# Altium PCB STM32_Analog_Cape.PcbDoc (part 2 of 2)
Units mil, origin at the board's own origin, x right, y up, seen from the top; angles counter-clockwise.
Board outline 3400 x 2150 mil, 2 copper layers (Top Layer, Bottom Layer), stack 61.855 mil thick; 129 components, 97 nets, 610 pads, 307 vias.
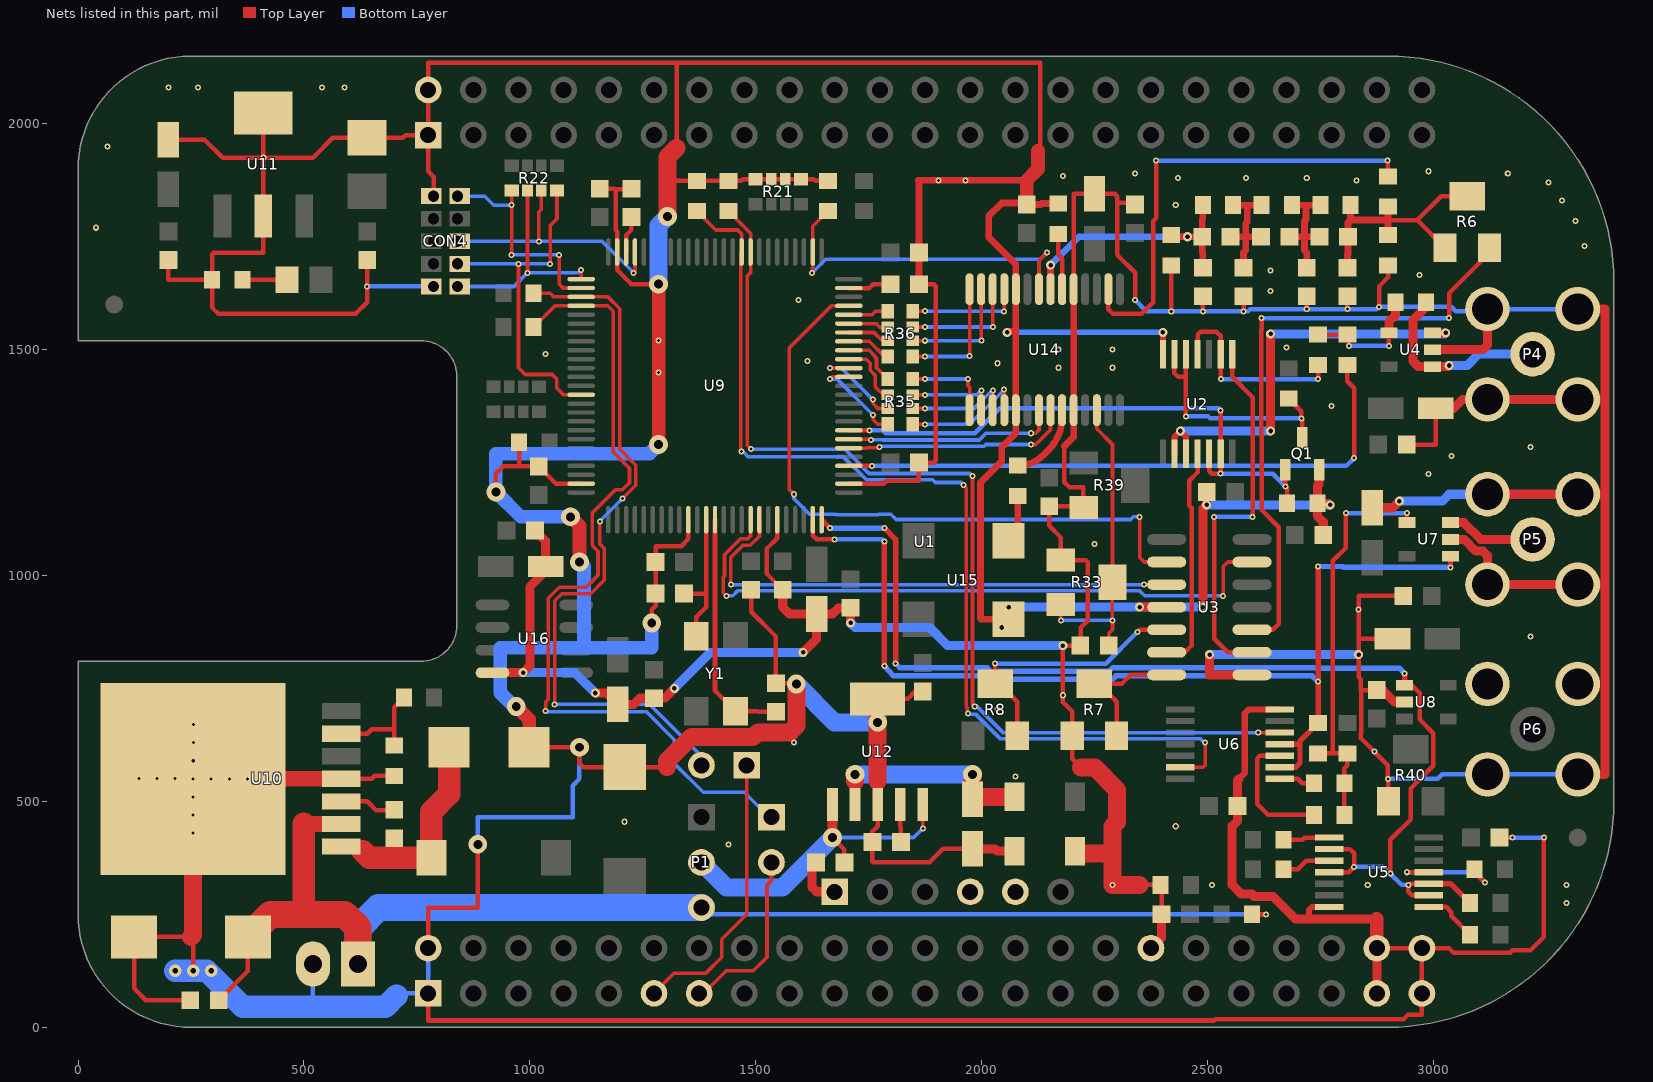
[diagram p2: the nets of this part, all layers, seen from the top]

## Via types
v1: diameter 13.39, hole 6.69, Top Layer to Bottom Layer, tented both sides, 227 vias
v2: diameter 20, hole 10, Top Layer to Bottom Layer, tented both sides, 41 vias
v3: diameter 41.34, hole 19.68, Top Layer to Bottom Layer, tented both sides, 36 vias
v4: diameter 27.56, hole 11.81, Top Layer to Bottom Layer, tented both sides, 3 vias

## Nets (pads, with @x,y where several pads share a name; then routed paths per layer and width w, separated by ;. In a path a pad name is that pad's centre, name@x,y a point inside that pad or via, vN(x,y) a via of type N, cw(c..) or ccw(c..) an arc to the next point about the centre after c; other vN are vias at no path point) (continued)
CW/EIS_SW: Q1.1 R11.2 U2.12 U2.13 U9.33 | length 1287.8
  Top Layer w10: U9.33@1706.26,1321.57 v1(1751.57,1321.57) ; U2.12@2503.82,1269.53 2503.82,1231.18 2509.41,1225.59 v1(2529.41,1225.59) U2.13@2529.41,1269.53 v1(2529.41,1365.59) ; Q1.1@2672.6,1234.57 v1(2672.6,1197.4) 2676.54,1193.46 R11.2@2676.54,1160
  Bottom Layer w10: v1(1751.57,1321.57) 1781.55,1321.57 1788.13,1315 1985,1315 2040.06,1370.06 2524.94,1370.06 v1(2529.41,1365.59) ; v1(2529.41,1225.59) 2644.41,1225.59 v1(2672.6,1197.4)
DDS_D0: R35.7 U9.39 | length 218
  Top Layer w8: v1(1665,1435) 1669.69,1439.69 U9.39@1706.26,1439.69 ; v1(1760,1355) 1760,1345 1770.2,1334.8 R35.7@1792.44,1334.8
  Bottom Layer w8: v1(1665,1435) 1680,1435 v1(1760,1355)
DDS_D1: R35.5 U9.40 | length 211.6
  Top Layer w8: v1(1665,1459.37) U9.40@1706.26,1459.37 ; v1(1760,1390) 1760,1380 1770.16,1369.84 R35.5@1792.44,1369.84
  Bottom Layer w8: v1(1665,1459.37) 1689.37,1459.37 1758.74,1390 v1(1760,1390)
DDS_D2: R35.3 U9.41 | length 142.9
  Top Layer w8: U9.41@1706.26,1479.06 1744.58,1479.06 1753.64,1470 1753.64,1454.2 1765,1442.84 1765,1417.63 1782.47,1400.16 R35.3@1792.44,1400.16
DDS_D3: R35.1 U9.42 | length 125.6
  Top Layer w8: U9.42@1706.26,1498.74 1751.26,1498.74 1764.2,1485.8 1764.2,1483.97 1767.64,1480.53 1767.64,1460 R35.1@1792.44,1435.2
DDS_D4: R36.7 U9.43 | length 100.1
  Top Layer w8: U9.43@1706.26,1518.43 1751.57,1518.43 1785.2,1484.8 R36.7@1792.44,1484.8
DDS_D5: R36.5 U9.44 | length 93.7
  Top Layer w8: U9.44@1706.26,1538.11 1761.89,1538.11 1780.16,1519.84 R36.5@1792.44,1519.84
DDS_D6: R36.3 U9.45 | length 89.5
  Top Layer w8: U9.45@1706.26,1557.8 1767.2,1557.8 1775,1550 1792.28,1550 R36.3@1792.44,1550.16
DDS_D7: R36.1 U9.46 | length 89.4
  Top Layer w8: U9.46@1706.26,1577.48 1757.48,1577.48 1765.2,1585.2 R36.1@1792.44,1585.2
EIS: C42.2 C46.2 L6.2 R6.2 R6.3 R28.2 R31.1 | length 570.9
  Top Layer w10: 2900,1786.93 2964.69,1786.93 ; R6.3@3025.79,1725.83 2964.69,1786.93 ; R6.2@3075,1840 3017.76,1840 2964.69,1786.93
  Top Layer w15: C46.2@2810,1681.5 2810,1710 2811.5,1711.5 C42.2@2811.5,1750 2811.5,1781.5 2816.93,1786.93 ; L6.2@2816.93,1820 2816.93,1786.93 ; R31.1@2900,1753.46 2900,1786.93 ; R28.2@2900,1816.54 2900,1786.93 ; 2816.93,1786.93 2900,1786.93
FQ_UD: U9.31 U14.8 | length 506.7
  Top Layer w8: U9.31@1706.26,1282.2 1745.59,1282.2 1746.69,1283.31 1773.31,1283.31 v1(1774.15,1284.15) ; v1(2110,1290) 2120,1290 2152.8,1322.8 U14.8@2152.8,1366.14
  Bottom Layer w8: v1(1774.15,1284.15) 1776,1286 2006,1286 2010,1290 v1(2110,1290)
GND: C1.1 C4.1 C5.1 C6.1 C12.1 C13.1 C14.1 C15.1 C16.1 C17.1 C18.1 C19.1 C22.1 C23.1 C24.2 C26.1 C27.2 C28.2 C29.1 C30.1 C31.2 C32.2 C33.1 C34.1 C47.2 C50.2 CON1.2 CON4.2 CON4.10 D1.1 L3.1 Q1.2 R11.1 R15.1 R16.1 R21.2 R21.4 R21.6 R21.8 R24.1 R29.1 R34.2 R41.2 R42.1 U1.1 U1.2 U1.47 U1.48 U1.89 U1.90 U1.91 U1.92 U1.93 U2.7 U3.4 U5.7 U6.7 U9.10 U9.27 U9.74 U9.99 U10.4 U10.TAB U11.2 U11.4 U12.3 U12.6 U14.5 U14.24 U15.2 | length 20764.5
  Top Layer w10: C29.1@200,1698.5 200,1655 R41.2@296.54,1655 ; C28.2@200,1965.12 279.88,1965.12 320,1925 v1(410,1925) ; C26.1@248.5,60 150,60 124.02,85.98 C24.2@124.02,200 250,200 ; 254.74,230 255,229.74 v4(255,125) ; U11.4@410,2024.17 v1(410,1925) ; U10.4@582.74,550 650,550 656.54,556.54 R24.1@700,556.54 ; C30.1@640,1698.5 640,1605 615,1580 310,1580 296.54,1593.46 R41.2@296.54,1655 ; U1.47@775,75 775,15 2515,15 2518.29,18.29 2935,18.29 2944.11,27.39 2975,27.39 U1.91@2975,75 U1.92@2975,175 ; U1.48@775,175 775,265 885,265 v3(885,405) ; CON4.10@787,1840 787,1883 775,1895 U1.1@775,1975 ; v3(925,1185) 925,1225 941.5,1241.5 975,1241.5 ; R42.1@976.54,1295 976.54,1243.03 975,1241.5 ; D1.1@998.58,620 v3(1110,620) 1110,585 1119.02,575.98 C27.2@1210,575.98 1304.02,575.98 ; U9.99@1113.74,1203.46 1058.03,1203.46 C17.1@1020,1241.5 975,1241.5 ; C16.1@1155,1856.5 1188.5,1856.5 1190,1855 ; C22.1@1225,1856.5 1223.5,1855 1190,1855 ; v3(1270,895) 1270,925 1278.5,933.5 C18.1@1278.5,960 C12.1@1278.5,1030 1278.5,1063.5 1280,1065 1335,1065 1350.94,1080.94 U9.10@1350.94,1123.74 ; v3(1285,1645) 1225,1645 1193.46,1676.54 U9.74@1193.46,1716.26 1193.46,1761.54 1190,1765 1190,1855 ; 1305,1873.46 R15.1@1370,1873.46 R16.1@1440,1873.46 1468.46,1873.46 1472.56,1877.56 R21.2@1499.8,1877.56 R21.4@1534.84,1877.56 R21.6@1565.16,1877.56 R21.8@1600.2,1877.56 1627.44,1877.56 1631.54,1873.46 R34.2@1660,1873.46 ; 1325,1946.47 1325,2135 ; C13.1@1490,968.5 1490,920 1545,865 C19.1@1545,761.5 1588.5,761.5 v3(1590,760) ; U9.27@1706.26,1203.46 1783.46,1203.46 1790,1210 1861.5,1210 C14.1@1861.5,1250 1894,1250 1899,1255 1899,1640 1894,1645 C23.1@1861.5,1645 ; 1770,545 U12.3@1770,492.87 1770,445 1758.5,433.5 C34.1@1758.5,410 1758.5,366.5 1760,365 1885,365 1914.88,394.88 C32.2@1980,394.88 ; U12.6@1770,727.13 1837.13,727.13 1853.5,743.5 C47.2@1870,743.5 ; 2125,1940 2130,1945 2130,2135 1325,2135 ; U1.90@2875,175 U1.92@2975,175 ; C5.1@3146.5,420 v1(3175,420) ; v1(3245,420) 3245,200 3215,170 3175,170 3170,165 3045,165 3035,175 U1.92@2975,175 ; R41.2@296.54,1655 296.54,1711.54 300,1715 410,1715 U11.2@410,1795.83 v1(410,1925) ; v1(410,1925) 520,1925 564.06,1969.06 C31.2@640,1969.06 719.06,1969.06 725,1975 U1.1@775,1975 ; U1.1@775,1975 U1.2@775,2075 775,2135 1325,2135
  Top Layer w13: U2.7@2401.46,1490 v2(2401.46,1538.54) ; 2725,240 2725,260 2731.46,266.46 U5.7@2770,266.46
  Top Layer w14: 2570,550 2583,563 2583,695 2591.54,703.54 U6.7@2660,703.54
  Top Layer w15: C23.1@1861.5,1645 C15.1@1861.5,1715 1861.5,1873.5 1860,1875 2100,1875 ; v2(2056.46,1538.54) 2057.91,1540 2076.02,1540 ; U15.2@2060,903.39 1999.11,903.39 1997.5,905 1997.5,1206.25 2045,1253.75 2045,1285 2076.02,1316.02 U14.5@2076.02,1366.14 2076.02,1540 ; R29.1@2170,1823.46 2133.46,1823.46 2131.5,1821.5 C50.2@2100,1821.5 2096.5,1825 2045,1825 2015.83,1795.83 2015.83,1749.17 2076.02,1688.98 U14.24@2076.02,1633.86 2076.02,1540
  Top Layer w20: C33.1@1633.5,365 1625,356.5 1625,310 1635,300 U1.93@1675,300 ; C32.2@1980,394.88 1980.12,395 2030,395 2035,390 L3.1@2073.07,390 ; v2(2350,930) U3.4@2410,930 ; v2(2490,930) 2490,1147.99 v2(2498.5,1156.5) C1.1@2498.5,1185 ; 2570,550 2566.5,546.5 C6.1@2566.5,490 2566.5,456.5 2555,445 2555,315 2575,295 2598.23,295 2603.23,290 2645,290 2695,240 2725,240 2875,240 ; Q1.2@2747.4,1234.57 2747.4,1202.4 2743.46,1198.46 R11.1@2743.46,1160 ; C4.1@2756.5,1090 2756.5,1118.5 2743.46,1131.54 R11.1@2743.46,1160 ; v2(2771.5,1156.5) 2767.99,1160 R11.1@2743.46,1160 ; U1.89@2875,75 U1.90@2875,175
  Top Layer w30: v3(970,710) 998.58,681.42 D1.1@998.58,620 ; v3(1090,1130) 1110,1110 v3(1110,1030) ; v3(1285,1290) v3(1285,1645) ; C50.2@2100,1821.5 2100,1875 2125,1900 2125,1940 ; U1.90@2875,175 2875,240
  Top Layer w35: v1(254.74,550) U10.4@582.74,550
  Top Layer w40: 250,200 254.74,204.74 254.74,230 v1(254.74,550) ; 1304.02,575.98 1304.02,589.02 1357.5,642.5 1494.4,642.5 1504.71,652.82 1575.45,652.82 1590.69,668.05 1590.69,759.31 v3(1590,760) ; v3(1305,1795) 1305,1873.46 1305,1926.47 1325,1946.47 ; 1770,545 v3(1770,675) U12.6@1770,727.13
  Bottom Layer w10: 520,45 CON1.2@520,140 ; v1(640,1640) CON4.2@787,1640 ; 705,70 710,75 U1.47@775,75 U1.48@775,175 ; v3(885,405) 885,465 1095,465 1095,535 1110,550 v3(1110,620) ; v1(3175,420) v1(3245,420)
  Bottom Layer w13: v2(2056.46,1538.54) v2(2401.46,1538.54)
  Bottom Layer w20: v2(2060,930) v2(2350,930) v2(2490,930) ; v2(2498.5,1156.5) v2(2771.5,1156.5)
  Bottom Layer w30: v3(970,710) 965,710 935,740 935,840 1120,840 ; v3(1090,1130) 980,1130 v3(925,1185) 925,1270 1265,1270 v3(1285,1290) ; v3(1110,1030) 1120,1020 1120,840 ; v3(1270,895) 1270,840 1120,840
  Bottom Layer w40: v3(1285,1645) 1285,1775 v3(1305,1795) ; v3(1590,760) 1675,675 v3(1770,675)
  Bottom Layer w50: v4(215,125) v4(255,125) 285,125 365,45 520,45 680,45 705,70
  other v1: 1440,405 253.96,430 1210,455 254.22,470 254.48,510 334.74,549.48 374.74,549.22 214.74,550.26 294.74,549.74 134.74,550.78 174.74,550.52 2075,555 255,590 255.26,630 1585,630 255.52,670 2035,705 1285,1450 2035,1470 1615,1475 1035,1490 1285,1520 1595,1610 40,1770 1905,1875 1965,1875 65,1950 200,2080 265,2080 540,2080 590,2080
  other v2: 2045,885
  other v4: 295,125
GNDA: C2.2 C3.1 C7.2 C8.1 C9.2 C11.1 C20.2 C21.1 C43.1 C44.1 C45.1 C46.1 C48.2 C49.2 C51.1 C52.2 C53.2 C54.2 C55.2 C56.2 C57.2 C58.1 L3.2 P4.2 P5.2 P6.2 R7.3 R30.2 R31.2 R33.3 R38.1 R39.1 R40.3 U1.80 U3.8 U4.2 U7.2 U8.2 U9.20 U14.10 U14.19 U16.4 | length 10484.7
  Top Layer w10: U9.20@1547.8,1123.74 1547.8,1082.8 1525,1060 1525,1003.5 C11.1@1560,968.5 ; 2183.61,1286.39 2183.33,1286.11 2183.33,1206.67 2195,1195 2225,1195 2225,1155.39 2223.11,1153.5 C56.2@2150,1153.5 2150,1110 2175.83,1084.17 R33.3@2175.83,1034.21 2230.79,1034.21 2235,1030 2235,900 2220,885 2220,846.5 C58.1@2218.5,845 v2(2180,845) 2180,720 2200.79,699.21 R7.3@2200.79,645.83 2200.79,594.21 2220,575 ; U14.19@2203.98,1633.86 2203.98,1843.98 2205.12,1845.12 C48.2@2250,1845.12 2294.88,1845.12 2300,1840 2300,1825 ; v1(2340,1610) 2340,1670 2300,1710 2300,1825 ; C49.2@2340,1821.5 2336.5,1825 2300,1825 ; 2350,315 R38.1@2396.54,315 2398.5,313.03 C51.1@2398.5,250 ; v1(2420,1585) R30.2@2420,1686.54 ; v1(2490,1585) C43.1@2490,1618.5 ; v1(2580,1585) C44.1@2580,1618.5 ; v1(2720,1590) C45.1@2720,1618.5 ; v1(2810,1590) C46.1@2810,1618.5 ; C57.2@2875,746.5 2841.5,746.5 2840,745 ; v1(2880,1595) 2880,1640 2900,1660 R31.2@2900,1686.54 ; R40.3@2900.79,500.83 2900.79,549.21 v1(2900,550) 2899.63,550.37 2899.63,580.37 2840,640 2840,650.51 2840.69,651.19 2840.69,744.31 2840,745 ; C9.2@2909.88,860 2835,860 ; C8.1@2933.5,955 2835,955 2835,860 ; C3.1@2941.5,1290 3005,1290 3005.12,1290.12 C2.2@3005.12,1370 ; 2835,860 v2(2835,825) 2835,775 2840,770 2840,745
  Top Layer w15: 2183.61,1286.39 2203.98,1306.75 U14.10@2203.98,1366.14 U14.19@2203.98,1633.86
  Top Layer w20: U16.4@917.48,785 v2(985,785) 1000,800 1000,975 1035.12,1010.12 C52.2@1035.12,1020 1035.12,1076.38 C54.2@1011.5,1100 ; v2(1145,740) 1169.88,740 C53.2@1195,714.88 1229.88,714.88 1243.5,728.5 C55.2@1275,728.5 1298.5,728.5 v2(1320,750) ; C11.1@1560,968.5 1560,930 1575.12,914.88 C20.2@1635,914.88 ; v2(1605,830) 1635,860 C20.2@1635,914.88 ; v2(1710,895) C21.1@1710,928.5 1683.5,928.5 1669.88,914.88 C20.2@1635,914.88 ; U1.80@2375,175 2398.5,198.5 C51.1@2398.5,250 ; v2(2505,825) 2505,780 U3.8@2598.98,780 ; C7.2@2865,1150.12 2910.12,1150.12 v2(2925,1165) ; C57.2@2875,746.5 2888.5,746.5 2915,720 U8.2@2936.77,720 ; U4.2@2998.23,1500 3110,1500 3120,1510 P4.2@3120,1590 ; C2.2@3005.12,1370 3045,1370 3065,1390 P4.2@3120,1390 P4.2@3320,1390 3380,1390 ; U7.2@3038.23,1080 3068.23,1080 3094.23,1054 3110,1054 3120,1044 P5.2@3120,980 P5.2@3320,980 3380,980 ; P5.2@3120,1180 P5.2@3320,1180 3380,1180 ; P6.2@3320,560 3380,560 3380,980 ; P4.2@3320,1590 3380,1590 3380,1390 ; 3380,980 3380,1180 ; 3380,1180 3380,1390
  Top Layer w40: L3.2@2206.93,390 2211.93,385 2290,385 ; 2220,575 2251,575 2300.31,525.69 2300.31,455 2290,444.69 2290,385 ; 2350,315 v1(2290,315) 2290,385
  Bottom Layer w10: v1(2340,1610) 2365,1585 v1(2420,1585) v1(2490,1585) v1(2580,1585) 2590,1585 2595,1590 v1(2720,1590) v1(2810,1590) 2875,1590 v1(2880,1595) 3040,1595 3050,1585 3115,1585 P4.2@3120,1590 P4.2@3320,1590 ; v1(2900,550) 3010,550 3020,560 P6.2@3120,560 P6.2@3320,560
  Bottom Layer w20: v2(985,785) 1100,785 v2(1145,740) ; v2(1320,750) 1400,830 v2(1605,830) ; v2(1710,895) 1720,885 1885,885 1925,845 v2(2180,845) ; v2(2505,825) v2(2835,825) ; v2(2925,1165) 3020,1165 3035,1180 P5.2@3120,1180
  other v1: 3295,275 2510,315 2855,315 3295,315 2430,445 2869.81,610.19 2180,735 3215,865 2835,925 2250,1070 2990,1225 3040,1265 3215,1285 2775,1375 2170,1460 2290,1460 2170,1500 2290,1500 2675,1505 2640,1630 2970,1665 2640,1675 3335,1730 3315,1785 2430,1820 3285,1830 3255,1870 2830,1875 2435,1880 2585,1880 2720,1880 2180,1885 2340,1890 3165,1890 2990,1895
I_OUT: R20.1 U5.2 U5.4 U5.9 U5.10 U8.1 U9.25 | length 2623.4
  Top Layer w10: U9.25@1646.22,1123.74 v1(1665,1105) ; U5.4@2770,343.23 2813.23,343.23 v1(2825,355) 2825,385 2815.59,394.41 U5.2@2770,394.41 ; v1(2905,340) 2905,415 2950,460 2950,528.58 3000.37,578.95 3000.37,651.05 2970,681.42 2970,740 2952.6,757.4 U8.1@2936.77,757.4 ; U5.9@2990.47,292.05 2952.95,292.05 2945,300 v1(2945,315) 2947.64,317.64 U5.10@2990.47,317.64
  Top Layer w12: v1(1785,1105) 1810,1080 v1(1810,805) ; U8.1@2936.77,757.4 v1(2936.77,783.23) ; U5.10@2990.47,317.64 3038.9,317.64 R20.1@3081.54,275
  Bottom Layer w10: v1(2825,355) 2890,355 v1(2905,340) 2930,315 v1(2945,315)
  Bottom Layer w12: v1(1665,1105) v1(1785,1105) ; v1(1810,805) 1819.11,795.89 2012.67,795.89 2022.26,786.31 2037.74,786.31 2039.44,788 2282.04,788 2289.93,795.89 2739.57,795.89 2740.46,795 2925,795 v1(2936.77,783.23)
IOUT: C40.1 C43.2 L4.1 R30.1 U14.21 | length 592.2
  Top Layer w15: U14.21@2152.8,1633.86 v2(2152.8,1687.2) ; R30.1@2420,1753.46 2423.46,1750 v2(2455.98,1750) C40.1@2488.5,1750 ; C43.2@2490,1681.5 2490,1715 2488.5,1716.5 C40.1@2488.5,1750 ; L4.1@2490,1820 2490,1790 2488.5,1788.5 C40.1@2488.5,1750
  Bottom Layer w15: v2(2152.8,1687.2) 2215.59,1750 v2(2455.98,1750)
MISO: U3.13 U9.17 | length 1448.2
  Top Layer w8: v1(1435,955) 1428.31,961.69 1428.31,997.31 1431,1000 1431,1045.81 1467.01,1081.82 1483.18,1081.82 1488.74,1087.38 U9.17@1488.74,1123.74 ; v1(2535,955) 2535,1020 2545,1030 U3.13@2598.98,1030
  Bottom Layer w8: v1(1435,955) 1449,955 1460,966 2350.39,966 2361.39,955 v1(2535,955)
MOSI: U3.3 U9.18 | length 1144.5
  Top Layer w8: v1(1445,980) 1445,1040.01 1471.91,1066.92 1488.08,1066.92 1508.43,1087.27 U9.18@1508.43,1123.74 ; v1(2360,980) U3.3@2410,980
  Bottom Layer w8: v1(1445,980) v1(2360,980)
NetC18_2: C18.2 U9.12 Y1.3 | length 316.3
  Top Layer w10: C18.2@1341.5,960 1390.31,960 ; Y1.3@1368.39,865.35 1368.39,908.39 1390.31,930.31 1390.31,960 ; U9.12@1390.31,1123.74 1390.31,960
NetC19_2: C19.2 U9.13 Y1.1 | length 535.1
  Top Layer w10: U9.13@1410,1123.74 1410,745 Y1.1@1455,700 1505,700 1506.5,698.5 C19.2@1545,698.5 ; Y1.1@1440,700 Y1.1@1441.5,698.5
NetC22_2: C22.2 U9.73 | length 82.2
  Top Layer w10: U9.73@1213.15,1716.26 1213.15,1753.15 1225,1765 C22.2@1225,1793.5
NetC23_2: C23.2 U9.49 | length 95.8
  Top Layer w10: U9.49@1706.26,1636.54 1751.54,1636.54 1760,1645 C23.2@1798.5,1645
NetC25_1: C25.1 D1.2 L1.1 U10.1 | length 421.8
  Top Layer w10: C25.1@698.5,420 C25.1@700,418.5
  Top Layer w50: 630,390 645,375 L1.1@782.2,375 782.2,477.2 821.42,516.42 D1.2@821.42,620
NetC25_2: C25.2 U10.3 | length 126.2
  Top Layer w10: U10.3@582.74,500 640,500 660,480 698.5,480 C25.2@700,481.5
NetC32_1: C32.1 L2.1 U12.2 | length 477.1
  Top Layer w23: U12.2@1720,492.87 v3@1720,545
  Top Layer w40: v3@1720,545 v3(1720,560) ; v3(1980,560) C32.1@1980,505.12 1984.88,510 L2.1@2073.07,510
  Bottom Layer w40: v3(1720,560) v3(1980,560)
NetC33_2: C33.2 P1.2 U12.1 U12.5 | length 758.8
  Top Layer w8: v1(1870,440) U12.5@1870,492.87
  Top Layer w10: v3(1670,420) 1696.5,393.5 C33.2@1696.5,365
  Top Layer w23: v3(1670,420) U12.1@1670,492.87
  Bottom Layer w8: v3(1670,420) 1850,420 v1(1870,440)
  Bottom Layer w40: P1.2@1380,365 1435.53,309.47 1559.47,309.47 v3(1670,420)
NetC34_2: C34.2 U12.4 | length 83.5
  Top Layer w10: U12.4@1820,492.87 1820,445 1821.5,443.5 C34.2@1821.5,410
NetC40_2: C40.2 C41.1 C44.2 L4.2 L5.1 | length 272.1
  Top Layer w15: C40.2@2551.5,1750 2585,1750 ; L4.2@2556.93,1820 2588.46,1820 ; C44.2@2580,1681.5 2580,1715 2585,1720 2585,1750 ; C41.1@2618.5,1750 2585,1750 ; L5.1@2620,1820 2588.46,1820 ; 2585,1750 2585,1780 2588.46,1783.46 2588.46,1820
NetC41_2: C41.2 C42.1 C45.2 L5.2 L6.1 | length 272.1
  Top Layer w15: C41.2@2681.5,1750 2715,1750 ; L5.2@2686.93,1820 2718.46,1820 ; C45.2@2720,1681.5 2720,1715 2715,1720 2715,1750 ; C42.1@2748.5,1750 2715,1750 ; L6.1@2750,1820 2718.46,1820 ; 2715,1750 2715,1785 2718.46,1788.46 2718.46,1820
NetD2_2: D2.2 R41.1 | length 99.1
  Top Layer w10: R41.1@363.46,1655 D2.2@462.6,1655
NetJ1_2: J1.2 U1.59 | length 397.3
  Top Layer w8: U1.59@1375,75 1385,75 1435,125 1495,125 1525,155 1525,315 1535,325 J1.2@1535,365
NetJ2_1: J2.1 U1.57 | length 630.9
  Top Layer w8: U1.57@1275,75 1320,120 1390,120 1425,155 1425,195 1480,250 J2.1@1480,580
NetQ1_3: Q1.3 R2.1 U2.5 U2.6 | length 570.6
  Top Layer w10: U2.6@2427.05,1490 2427.05,1447.95 2435,1440 2452.64,1440 ; v1(2452.64,1352.36) 2452.64,1440 ; U2.5@2452.64,1490 2452.64,1440 ; R2.1@2680,1391.54 2707.9,1363.64 v1(2707.9,1347.9) 2710,1345.8 Q1.3@2710,1305.43 Q1.3@2710,1299
  Bottom Layer w10: v1(2452.64,1352.36) 2501.46,1352.36 2505.92,1347.9 v1(2707.9,1347.9)
NetR3_1: R3.1 R4.1 R5.2 U4.4 | length 283
  Top Layer w10: R3.1@2745,1533.46 R5.2@2810,1533.46 2813.23,1530.24 v1(2813.23,1508.23) ; v1(2901.77,1508.23) U4.4@2901.77,1537.4
  Top Layer w20: U4.4@2901.77,1537.4 2901.77,1561.77 2916.54,1576.54 R4.1@2916.54,1605
  Bottom Layer w10: v1(2813.23,1508.23) v1(2901.77,1508.23)
NetR3_2: R3.2 U2.2 U2.4 | length 443.5
  Top Layer w10: U2.4@2478.23,1490 2478.23,1533.23 2485,1540 2520,1540 2529.41,1530.59 U2.2@2529.41,1490 2529.41,1450.59 2530,1450 v1(2530,1435) ; v1(2745,1435) R3.2@2745,1466.54
  Bottom Layer w10: v1(2530,1435) v1(2745,1435)
NetR6_1: R6.1 U3.10 | length 1365.6
  Top Layer w10: U3.10@2598.98,880 2645,880 2657.82,892.82 2657.82,1107.18 2620,1145 2620,1310.3 2619,1311.3 2619,1543.7 2620,1544.7 v1(2620,1570) ; v1(3035,1570) 3035,1625 3124.21,1714.21 R6.1@3124.21,1725.83
  Bottom Layer w10: v1(2620,1570) v1(3035,1570)
NetR7_1: R7.1 R7.2 U3.7 | length 308.7
  Top Layer w10: R7.1@2299.21,645.83 2299.21,720.79 2260,760 R7.2@2250,760 2310,760 2330,780 U3.7@2410,780
NetR8_1: R8.1 R8.2 U3.5 | length 596.5
  Top Layer w10: v1(2030,805) R8.2@2030,760 2040,760 2079.21,720.79 R8.1@2079.21,645.83 ; v1(2345,875) 2350,880 U3.5@2410,880
  Bottom Layer w10: v1(2030,805) 2275,805 v1(2345,875)
NetR9_2: R9.2 R10.1 R12.1 R14.1 U7.4 | length 903.9
  Top Layer w10: R14.1@2745,606.54 2777.5,606.54 ; R12.1@2803.46,470 R10.1@2803.46,540 2803.46,573.46 2810,580 R9.2@2810,606.54 2777.5,606.54 ; v1(2806.77,1138.23) 2806.77,1061.77 2777.5,1032.5 2777.5,606.54 ; U7.4@2941.77,1117.4 v1(2941.77,1138.23)
  Bottom Layer w10: v1(2806.77,1138.23) v1(2941.77,1138.23)
NetR10_2: R10.2 U6.1 | length 80.7
  Top Layer w10: U6.1@2660,550 2700,550 2710,540 R10.2@2736.54,540
NetR12_2: R12.2 U6.3 | length 289.5
  Top Layer w10: U6.3@2660,601.18 2616.18,601.18 2610,595 2610,495 2635,470 R12.2@2736.54,470
NetR13_1: R13.1 U5.1 | length 103.6
  Top Layer w10: R13.1@2668.46,415 2710,415 2715,420 U5.1@2770,420
NetR17_2: R17.2 U5.3 | length 109.3
  Top Layer w10: R17.2@2668.46,350 2700,350 2718.82,368.82 U5.3@2770,368.82
NetR18_1: R18.1 U5.8 | length 121.5
  Top Layer w10: U5.8@2990.47,266.46 3028.54,266.46 3040,255 3040,246.54 R18.1@3081.54,205
NetR19_1: R19.1 U5.11 | length 271.3
  Top Layer w10: v1(2941.77,343.23) U5.11@2990.47,343.23 ; R19.1@3091.54,350 3091.54,343.46 v1(3115,320)
  Bottom Layer w10: v1(2941.77,343.23) 3091.77,343.23 v1(3115,320)
NetR24_2: R24.2 R25.1 U10.6 | length 236.9
  Top Layer w10: U10.6@582.74,650 640,650 650,660 700,660 ; R24.2@700,623.46 700,660 ; R25.1@721.54,730 700,708.46 700,660
NetR29_2: R29.2 U14.20 | length 126.2
  Top Layer w10: R29.2@2170,1756.54 2170,1710 2178.39,1701.61 U14.20@2178.39,1633.86
NetR32_1: R32.1 U14.9 | length 182.4
  Top Layer w15: R32.1@2080,1233.46 R32.1@2087.15,1233.46 ; R32.1@2080,1243.46 ccw(c2080,1324.25) 2137.13,1267.13 2149.1,1279.1 ccw(c2078.39,1349.81) 2178.39,1349.81 U14.9@2178.39,1366.14
NetR32_2: R32.2 U15.3 | length 103.4
  Top Layer w15: U15.3@2071.61,1076.61 2080,1085 R32.2@2080,1176.54
NetR35_2: R35.2 U14.1 | length 192.8
  Top Layer w8: R35.2@1847.56,1435.2 v1(1874.8,1435.2) ; v1(1970,1435) 1970,1420 1973.66,1416.34 U14.1@1973.66,1366.14
  Bottom Layer w8: v1(1874.8,1435.2) v1@1970,1435.2
NetR35_4: R35.4 U14.2 | length 200.7
  Top Layer w8: R35.4@1847.56,1400.16 v1(1874.8,1400.16) ; U14.2@1999.25,1366.14 1999.25,1409.25 v1(2000,1410)
  Bottom Layer w8: v1(1874.8,1400.16) 1990.16,1400.16 v1(2000,1410)
NetR35_6: R35.6 U14.3 | length 238
  Top Layer w8: R35.6@1847.56,1369.84 v1(1874.8,1369.84) ; U14.3@2024.84,1366.14 2025,1366.3 v1(2025,1410)
  Bottom Layer w8: v1(1874.8,1369.84) 1983.45,1369.84 2023.61,1410 v1(2025,1410)
NetR35_8: R35.8 U14.4 | length 279.6
  Top Layer w8: R35.8@1847.56,1334.8 v1(1874.8,1334.8) ; v1(2050,1411.39) 2050.43,1410.96 U14.4@2050.43,1366.14
  Bottom Layer w8: v1(1874.8,1334.8) 1973.41,1334.8 v1(2050,1411.39)
NetR36_2: R36.2 U14.25 | length 251.6
  Top Layer w8: R36.2@1847.56,1585.2 v1(1874.8,1585.2) ; v1(2050,1585) 2050.43,1585.43 U14.25@2050.43,1633.86
  Bottom Layer w8: v1(1874.8,1585.2) 2049.8,1585.2 v1(2050,1585)
NetR36_4: R36.4 U14.26 | length 261.2
  Top Layer w8: R36.4@1847.56,1550.16 v1(1874.8,1550.16) ; U14.26@2024.84,1633.86 2024.84,1550.32 v1(2025,1550.16)
  Bottom Layer w8: v1(1874.8,1550.16) v1(2025,1550.16)
NetR36_6: R36.6 U14.27 | length 266.7
  Top Layer w8: R36.6@1847.56,1519.84 v1(1874.8,1519.84) ; U14.27@1999.25,1633.86 1999.25,1520.75 v1(2000,1520)
  Bottom Layer w8: v1(1874.8,1519.84) 1999.84,1519.84 v1(2000,1520)
NetR36_8: R36.8 U14.28 | length 277.1
  Top Layer w8: R36.8@1847.56,1484.8 v1(1874.8,1484.8) v1@1875,1485 ; v1(1973.66,1486.34) U14.28@1973.66,1633.86
  Bottom Layer w8: v1(1874.8,1484.8) 1974.8,1484.8 1973.66,1485.94 v1(1973.66,1486.34)
NetU2_1: U2.1 U3.9 | length 830
  Top Layer w10: v1(2515,1130) 2515,860 2545,830 U3.9@2598.98,830 ; U2.1@2555,1490 2555,1440 2600,1395 v1(2600,1130)
  Bottom Layer w10: v1(2515,1130) v1(2600,1130)
NetU2_9: U2.9 U2.10 U4.3 | length 944.5
  Top Layer w13: U2.9@2427.05,1269.53 2427.05,1307.05 v2(2440,1320) 2452.64,1307.36 U2.10@2452.64,1269.53
  Top Layer w20: v2(2640,1320) v2(2640,1535) ; U4.3@2998.23,1537.4 v2(3027.6,1537.4)
  Bottom Layer w20: v2(2440,1320) v2(2640,1320) ; v2(2640,1535) 3025.2,1535 v2(3027.6,1537.4)
NetU2_11: U2.11 U3.6 | length 495.4
  Top Layer w10: U3.6@2410,830 2450,830 2465,845 2465,1150 2460,1155 2460,1210 2478.23,1228.23 U2.11@2478.23,1269.53
OCP: R5.1 U9.29 | length 1339
  Top Layer w10: U9.29@1706.26,1242.83 v1(1757.83,1242.83) ; R5.1@2810,1466.54 2810,1430 2825,1415 v1(2825,1260)
  Bottom Layer w10: v1(1757.83,1242.83) 1758.28,1243.28 2807.39,1243.28 2807.83,1242.83 v1(2825,1260)
RE: P5.1 U7.3 | length 197.3
  Top Layer w20: U7.3@3038.23,1117.4 3067.6,1117.4 3105,1080 P5.1@3220,1080
RE_SW_22K: R16.2 U6.5 U9.59 | length 2279.2
  Top Layer w8: R16.2@1440,1806.54 1488.74,1757.8 U9.59@1488.74,1716.26 1488.74,1670.68 1481.31,1663.25 1481.31,1288.69 v1(1490,1280) ; v1(1980,1220) 1980,715 v1(1985,710) ; v1(2612.64,652.36) U6.5@2660,652.36
  Bottom Layer w8: v1(1490,1280) 1697.06,1280 1751.06,1226 1974,1226 v1(1980,1220) ; v1(1985,710) 1990,710 2047.64,652.36 v1(2612.64,652.36)
RE_SW_100K: R15.2 U6.13 U9.60 | length 2291
  Top Layer w8: R15.2@1370,1806.54 1411.54,1765 1460,1765 1469.06,1755.94 U9.60@1469.06,1716.26 1467.31,1714.51 1467.31,1276.75 v1@1469.06,1275 ; v1(1960,1200) 1966,1194 1966,709.2 1968.31,706.89 1968.31,696.69 v1(1970,695) ; U6.13@2439.53,575.59 2490.59,575.59 2495,580 v1(2495,630)
  Bottom Layer w8: v1@1471.39,1275 1483.79,1262.6 1694.66,1262.6 1745.26,1212 1892.18,1212 1898.18,1206 1955,1206 1955,1205 v1(1960,1200) ; v1(1970,695) 1971.69,693.31 1986.89,693.31 2041.84,638.36 2485,638.36 2493.36,630 v1(2495,630)
  other v1: 1468.2,1275
RSET: C58.2 R33.1 R33.2 U14.12 | length 688.9
  Top Layer w8: v1(2175.83,900.83) R33.1@2175.83,935.79 ; U14.12@2255.16,1366.14 2255.16,1324.84 2290,1290 R33.2@2290,985 2289.59,984.59 v1(2289.59,900.41) 2290,900 2290,880 2281.5,871.5 C58.2@2281.5,845
  Bottom Layer w8: v1(2175.83,900.83) 2289.17,900.83 v1(2289.59,900.41) v1@2290,900
RST_DDS: R34.1 U9.52 U14.22 | length 778.2
  Top Layer w8: v1(1625,1670) 1625,1680 1626.54,1681.54 U9.52@1626.54,1716.26 1626.54,1773.07 R34.1@1660,1806.54 ; U14.22@2127.2,1633.86 2127.2,1697.2 v1(2145,1715)
  Bottom Layer w8: v1(1625,1670) 1655,1700 2130,1700 v1(2145,1715)
RX_DATA: J2.2 R26.2 U9.78 | length 1607.9
  Top Layer w8: R26.2@1008.46,1625 1045,1625 1053.15,1616.85 U9.78@1113.74,1616.85 1172.95,1616.85 1199,1590.8 1199,1280 1234.67,1244.33 1234.67,1199.87 v1(1205,1170.2) ; v1(1055,715) 1055,943.92 1071.08,960 1135,960 1165,990 1165,1059.8 1155,1069.8 v1(1155,1120)
  Bottom Layer w8: v1(1055,715) 1264.8,715 1380,599.8 J2.2@1380,580 ; v1(1155,1120) 1155,1120.2 v1(1205,1170.2)
RX_DBG: U1.96
SCK: U3.2 U9.47 | length 1450.3
  Top Layer w8: v1(1585,1180) 1574,1191 1574,1503.11 1668.05,1597.17 U9.47@1706.26,1597.17 ; v1(2350,1130) 2350,1040 2360,1030 U3.2@2410,1030
  Bottom Layer w8: v1(1585,1180) 1585,1169.8 1619.11,1135.69 1677.71,1135.69 1678.41,1135 1771.59,1135 1772.29,1135.69 1799.31,1135.69 1811,1124 2330,1124 2336,1130 v1(2350,1130)
TCK: CON4.1 R22.3 U9.76 | length 491.3
  Top Layer w8: R22.3@994.84,1852.44 994.84,1670.16 v1(995,1670) ; U9.76@1113.74,1656.22 v1(1113.74,1676.26)
  Bottom Layer w8: CON4.1@840,1640 965,1640 v1(995,1670) 1107.48,1670 v1(1113.74,1676.26)
TDI: CON4.9 R22.1 U9.77 | length 493.1
  Top Layer w8: R22.1@959.8,1852.44 959.8,1820.2 v1(960,1820) v1(960,1710) ; v1(1065,1710) 1065,1645 1073.46,1636.54 U9.77@1113.74,1636.54
  Bottom Layer w8: CON4.9@840,1840 900,1840 920,1820 v1(960,1820) ; v1(960,1710) v1(1065,1710)
TDO: CON4.3 R22.7 U9.89 | length 778.9
  Top Layer w8: v1(975,1690) 975,1460 990,1445 1050,1445 1060,1435 1060,1415 1074.69,1400.32 U9.89@1113.74,1400.32 ; v1(1045,1690) 1045,1775 1060.2,1790.2 R22.7@1060.2,1852.44
  Bottom Layer w8: CON4.3@840,1690 v1(975,1690) v1(1045,1690)
TMS: CON4.5 R22.5 U9.72 | length 581
  Top Layer w8: v1(1020,1740) 1020,1805 1025.16,1810.16 R22.5@1025.16,1852.44 ; v1(1230,1670) 1232.83,1672.83 U9.72@1232.83,1716.26
  Bottom Layer w8: CON4.5@840,1740 1160,1740 v1(1230,1670)
TX_DATA: J1.1 R27.2 U9.79 | length 1860.2
  Top Layer w8: R27.2@1008.46,1550 1055.63,1597.17 U9.79@1113.74,1597.17 1172.83,1597.17 1185,1585 1185,1273.37 1220.67,1237.7 1220.67,1205.67 1204.66,1189.66 1189.66,1189.66 1138.31,1138.31 1138.31,1066.69 1151,1054 1151,1001 1141,991 1141,990 1125,974 1065.28,974 1041,949.72 1041,726 1035,720 v1(1035,700)
  Bottom Layer w8: v1(1035,700) 1036.69,698.31 1258.31,698.31 1320,636.61 1320,584.1 1384.1,520 1475,520 1530,465 J1.1@1535,465
TX_DBG: U1.97
U_OUT: R14.2 U6.2 U6.4 U7.1 U9.24 | length 2321.9
  Top Layer w10: U9.24@1626.54,1123.74 1626.54,1088.46 1635,1080 v1(1675,1080)
  Top Layer w12: v1(1785,800) v1(1785,1075) ; U6.2@2660,575.59 2695.59,575.59 2705,585 2705,625 ; U6.4@2660,626.77 2703.23,626.77 2705,625 ; v1(2745,1020) v1(2745,765) R14.2@2745,673.46 2705,633.46 2705,625 ; v1(3038.23,1018.23) U7.1@3038.23,1042.6
  Bottom Layer w10: v1(1675,1080) 1780,1080 v1(1785,1075)
  Bottom Layer w12: v1(1785,800) 1805,777.89 2005.22,777.89 2014.8,768.31 2045.2,768.31 2046.89,770 2289.5,770 2297.39,777.89 2732.11,777.89 v1(2745,765) ; v1(2745,1020) 2800,1020 2801.77,1018.23 v1(3038.23,1018.23)
VBAT: C24.1 C26.2 CON1.1 P1.3 R37.2 U10.2 | length 2953
  Top Layer w10: C26.2@311.5,60 375.98,124.49 C24.1@375.98,200 ; R37.2@2598.46,250 v1(2630,250)
  Top Layer w35: 500,450 U10.2@582.74,450
  Top Layer w50: 500,250 500,450
  Top Layer w60: C24.1@375.98,200 425.98,250 500,250 590,250 620,220 CON1.1@620,140
  Bottom Layer w10: P1.3@1380,265 1395,250 v1(2630,250)
  Bottom Layer w60: CON1.1@620,140 620,220 665,265 P1.3@1380,265
VINP: R28.1 U14.16 | length 1024.4
  Top Layer w10: U14.16@2280.75,1633.86 2280.75,1589.25 2290,1580 2355,1580 2380,1605 2380,1785 2386.54,1791.54 v1(2386.54,1918.46) ; v1(2899.23,1919.23) 2899.23,1884.23 R28.1@2900,1883.46
  Bottom Layer w10: v1(2386.54,1918.46) 2898.46,1918.46 v1(2899.23,1919.23) v1@2900,1920
W_CLK: U9.32 U14.7 | length 475.6
  Top Layer w8: U9.32@1706.26,1301.89 1753.11,1301.89 v1(1755,1300) ; v1(2110,1315) 2120,1315 2127.2,1322.2 U14.7@2127.2,1366.14
  Bottom Layer w8: v1(1755,1300) 1755.85,1300.85 1781.07,1300.85 1781.91,1300 1995,1300 2010,1315 v1(2110,1315)
WE: P4.1 R4.2 U4.1 | length 423.3
  Top Layer w20: R4.2@2983.46,1605 2983.46,1593.46 2955,1565 2955,1475 2967.4,1462.6 U4.1@2998.23,1462.6 3032.6,1462.6 v2(3035,1465)
  Bottom Layer w20: v2(3035,1465) 3075,1465 3100,1490 P4.1@3220,1490
pads on no net: CON4.7 FID1.0 FID2.0 R23.3 R23.5 U1.3 U1.4 U1.5 U1.6 U1.7 U1.8 U1.9 U1.10 U1.11 U1.12 U1.13 U1.14 U1.15 U1.16 U1.17 U1.18 U1.19 U1.20 U1.21 U1.22 U1.23 U1.24 U1.25 U1.26 U1.27 U1.28 U1.29 U1.30 U1.31 U1.32 U1.33 U1.34 U1.35 U1.36 U1.37 U1.38 U1.39 U1.40 U1.41 U1.42 U1.43 U1.44 U1.45 U1.46 U1.49 U1.50 U1.53 U1.54 U1.55 U1.56 U1.58 U1.60 U1.61 U1.62 U1.63 U1.64 U1.65 U1.66 U1.67 U1.68 U1.69 U1.70 U1.71 U1.72 U1.73 U1.74 U1.75 U1.76 U1.77 U1.78 U1.79 U1.81 U1.83 U1.84 U1.85 U1.86 U1.87 U1.88 U1.94 U1.95 U1.98 U3.11 U3.12 U6.6 U6.8 U6.9 U6.10 U6.11 U6.12 U9.1 U9.2 U9.3 U9.4 U9.5 U9.6 U9.7 U9.8 U9.9 U9.15 U9.16 U9.23 U9.26 U9.34 U9.35 U9.36 U9.38 U9.48 U9.53 U9.54 U9.61 U9.62 U9.63 U9.64 U9.65 U9.66 U9.67 U9.68 U9.69 U9.70 U9.71 U9.80 U9.81 U9.82 U9.83 U9.84 U9.85 U9.86 U9.87 U9.88 U9.91 U9.92 U9.93 U9.95 U9.96 U9.97 U9.98 U10.5 U10.7 U14.13 U14.14 U14.15 U14.17 U16.1 U16.3 U16.5 U16.7 U16.8 Y1.2 Y1.4

## Polygon pours and split planes (outlines as drawn)
GNDA on Top Layer "GNDA_TOP" (solid, remove dead copper, pour order 0): 2140,340 2125,325 2125,300 2125,230 2325,230 2325,130 2330,125 2725,125 2725,225 3400,225 3400,1925 3070,1925 2145,1925 2140,1920
GND on Top Layer "GND_TOP" (solid, remove dead copper, pour order 2): 0,2150 0,0 3400,0 3400,200 2110,200 2110,275 2110,1935 2110,1950 3400,1950 3400,2150 0,2150
GND on Bottom Layer "GND_BOT" (solid, remove dead copper, pour order 4): 0,2150 0,0 3400,0 3400,200 2110,200 2110,275 2110,1935 2110,1950 3400,1950 3400,2150 0,2150
GNDA on Bottom Layer "GNDA_BOT" (solid, remove dead copper, pour order 6): 2140,340 2125,325 2125,300 2125,230 2325,230 2325,130 2330,125 2725,125 2725,225 3400,225 3400,1925 3070,1925 2145,1925 2140,1920

## Keep-outs
Keep-Out Layer:
  the board outline again, w8

## Other copper
Top Layer:
  region net GND: 2110,1950 2115,1955 2138.75,1955 2143.75,1950 2140,1946.25 2140,1935 2110.47,1935 2110,1935.47

## Silkscreen, mask and mechanical layers (free items; w line width, h text height)
Top Overlay:
  circle w5: c900,1630 r10
  lines w7: 2120,1230 2120,1135 2125,1130 2125,795 ; 2120,1290 2120,1315 ; 2120,1430 2120,1570 ; 2120,1680 2120,1725 ; 2120,1850 2120,1930 2120,1940 3290,1940 ; 2125,350 2125,340 2115,330 2115,210 2320,210 2320,120 2730,120 2730,210 3050,210 ; 2125,430 2125,470 ; 2125,550 2125,605 ; 3180,210 3295,210
  text "WE" at 3290,1660 h70
  text "3V3" at 465,1585 h25
  text "JTAG" at 755,1570 h25
  text "RE" at 3290,1250 h70
  text "AE" at 3290,830 h70
  text "5V" at 1470,445 h25 r90
  text "VAN" at 1469.8,333.97 h25 r90
  text "GND" at 480,280 h25
  text "VBAT" at 580,280 h25
  text "VBAT" at 1470,215 h25 r90

## Dimensions
3415,2150 to 2900,0 on Mechanical 15
0,1900 to 3400,1650 on Mechanical 15

## Text inside footprints (layer, text, board x,y; h text height)
U1: Top Overlay "P9" at 3025,100 h50; Top Overlay "P8" at 3025,2010 h50